# Altium PCB Video_Processing_Board.PcbDoc (part 1 of 3) (continued)
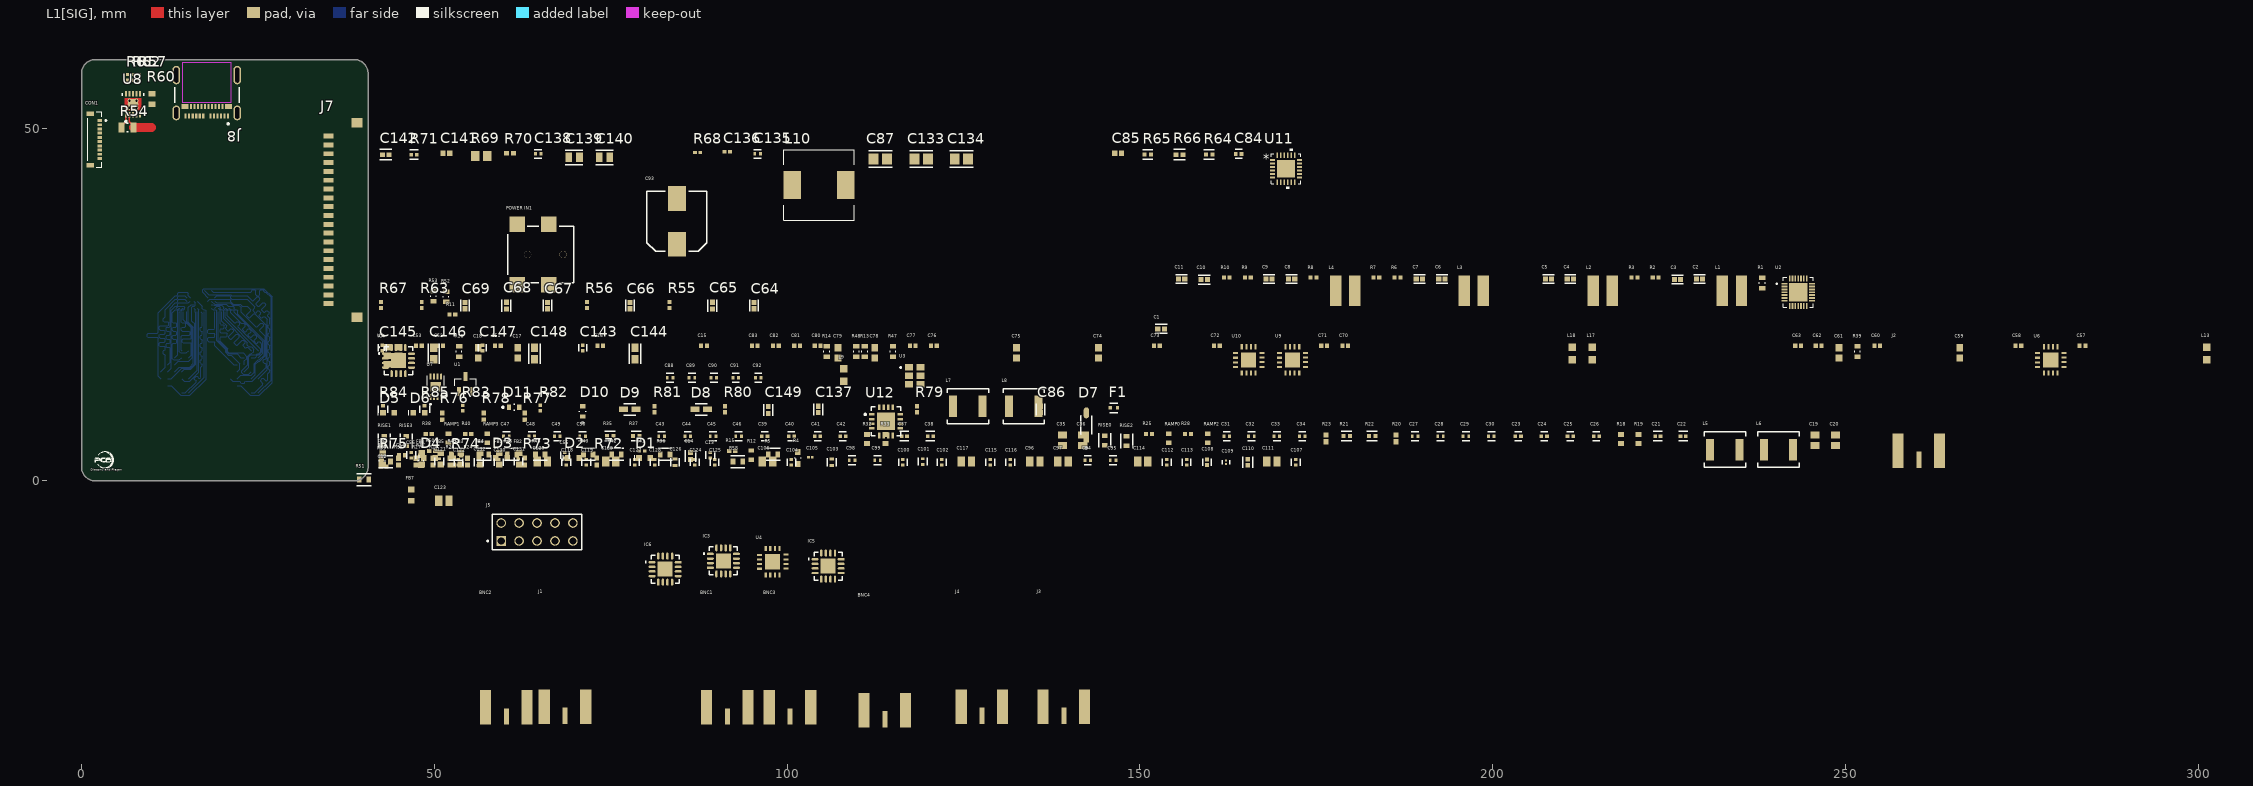
[diagram p0: L1[SIG] view]
## Components (designator, comment, footprint, x,y, rotation, side; value= is the part's Value field where it differs from the comment) (continued)
F1 "ERB-RD1R00X" FP-ERBRD-MFG 146.327,10.352 r0 top
FB1 "FBMH1608HM102-T" FBMH1608HM102-T 59.227,3.152 r90 top
FB2 "FBMH1608HM102-T" FBMH1608HM102-T 62.027,3.152 r90 top
FB3 "FBMH1608HM102-T" FBMH1608HM102-T 53.727,3.152 r90 top
FB4 "FBMH1608HM102-T" FBMH1608HM102-T 56.527,3.152 r90 top
FB5 "FBMH1608HM102-T" FBMH1608HM102-T 50.927,3.152 r90 top
FB6 "FBMH1608HM102-T" FBMH1608HM102-T 42.727,3.152 r90 top
FB7 "FBMH1608HM102-T" FBMH1608HM102-T 46.716,-2.005 r90 top
FB8 "FBMH1608HM102-T" FBMH1608HM102-T 48.227,3.152 r90 top
IC1 "MPF100T-1FCSG325I" MPF100T-1FCSG325I 18.4,33.78 r180 bottom
IC3 "EQCO125X40" EQCO125X40 90.977,-11.324 r0 top
IC4 "EQCO125X40" EQCO125X40 44.927,17.052 r0 top
IC5 "EQCO125X40" EQCO125X40 105.827,-12.072 r0 top
IC6 "EQCO125X40" EQCO125X40 82.727,-12.5 r0 top
IC7 "S80KS2564" S80KS2564 12.221,15.492 r270 bottom
IC9 "S80KS2564" S80KS2564 22.079,15.492 r270 bottom
J1 "" "PCBComponent_1 - duplicate" 68.527,-32.648 r0 top
J2 "" "PCBComponent_1 - duplicate" 260.426,3.652 r0 top
J3 "" "PCBComponent_1 - duplicate" 139.227,-32.648 r0 top
J4 "" "PCBComponent_1 - duplicate" 127.627,-32.648 r0 top
J5 "TSW-105-08-G-D" TSW-105-08-G-D 59.487,-8.5 r0 top
J6 "20525-030E-02C" I-PEX_20525-030E-02C 2.738,48.55 r90 bottom
J7 "JAE FI-S20P-HFE" "JAE FI-S20P-HFE" 37.754,37.003 r90 top
J8 "1054500101" FP-1054500101-MFG 17.758,55.525 r180 top
L1 "744031001" WE-TPC-3816-S 233.927,26.952 r0 top
L2 "744031001" WE-TPC-3816-S 215.627,26.952 r0 top
L3 "744031001" WE-TPC-3816-S 197.327,26.952 r0 top
L4 "744031001" WE-TPC-3816-S 179.127,26.952 r0 top
L5 "10uH" FP-1812PS-MFG 232.926,4.452 r0 top
L6 "10uH" FP-1812PS-MFG 240.526,4.452 r0 top
L7 "10uH" FP-1812PS-MFG 125.627,10.6 r0 top
L8 "10uH" FP-1812PS-MFG 133.557,10.6 r0 top
L9 "742792651" SMD-0603 108.067,15.027 r90 top
L10 "HCP0704-1R0-R" IND_SCIHP1367-100M 104.527,41.952 r0 top
L13 "742792651" SMD-0603 301.226,18.052 r90 top
L17 "742792651" SMD-0603 214.126,18.052 r90 top
L18 "742792651" SMD-0603 211.326,18.052 r90 top
"POWER IN1" "24V IN" 694102107102 65.1,32.1 r90 top
R1 "ERA3AEB104V" RESC1608X55X30ML20T20 238.227,28.052 r90 top value=100k
R2 "RC0402FR-0735K7L" RESC1005X40X25NL05T10#1 223.127,28.852 r0 top
R3 "RC0402FR-0711K5L" RESC1005X40X25NL05T10#1 220.127,28.852 r0 top
R4 "100K" FP-RC0603-0_55-MFG 101.527,3.252 r90 top
R5 "1K" FP-RC0603-0_55-IPC_C 98.027,3.752 r0 top
R6 "RC0402FR-0710KL" RESC1005X40X25NL05T10#1 186.527,28.852 r0 top
R7 "RC0402FR-0720KL" RESC1005X40X25NL05T10#1 183.527,28.852 r0 top
R8 "RN73H1ETTP1452F25" RESC1005X40N 174.627,28.852 r0 top
R9 "RC0402FR-0711K5L" RESC1005X40X25NL05T10#1 165.327,28.852 r0 top
R10 "RC0402FR-0724K3L" RESC1005X40X25NL05T10#1 162.327,28.852 r0 top
R11 "RC0402FR-0711K5L" RESC1005X40X25NL05T10#1 52.57,23.6 r0 top
R12 "4.7K" RESC1608X55X25LL10T15 94.927,3.652 r90 top
R13 "100 Ohm" 3-0603 111.027,18.352 r90 top
R14 "100 Ohm" 3-0603 105.627,18.352 r90 top
R15 "0R" RESC1005X40X25NL05T10#2 92.227,4.252 r0 top
R16 "75 Ohm" 3-0603 53.527,18.352 r90 top
R17 "100 Ohm" 3-0603 48.127,2.852 r90 top
R18 "1K" RESC1608X55X30LL15T15#1 218.226,5.952 r90 top
R19 "1K" RESC1608X55X30LL15T15#1 220.726,5.952 r90 top
R20 "15R" RESC1005X40X25ML10T10 186.327,6.052 r90 top
R21 "75R" FP-ERJ2RK-IPC_B 179.327,6.352 r0 top
R22 "75R" FP-ERJ2RK-IPC_B 182.927,6.352 r0 top
R23 "15R" RESC1005X40X25ML10T10 176.427,6.052 r90 top
R24 "15R" RESC1005X40X25ML10T10 54.727,2.752 r90 top
R25 "0R" RESC1005X40X25NL05T10#2 151.327,6.652 r0 top
R26 "15R" RESC1005X40X25ML10T10 52.227,2.752 r90 top
R27 "15R" RESC1005X40X25ML10T10 47.427,2.752 r90 top
R28 "0R" RESC1005X40X25NL05T10#2 156.827,6.652 r0 top
R29 "15R" RESC1005X40X25ML10T10 49.827,2.752 r90 top
R30 "15R" RESC1005X40X25ML10T10 42.527,2.752 r90 top
R31 "15R" RESC1005X40X25ML10T10 44.927,2.752 r90 top
R32 "1K" RESC1608X55X30LL15T15#1 111.327,5.952 r90 top
R33 "1K" RESC1608X55X30LL15T15#1 113.927,5.952 r90 top
R34 "100 Ohm" 3-0603 42.627,2.852 r90 top
R35 "75R" FP-ERJ2RK-IPC_B 74.927,6.352 r0 top
R36 "10K" FP-RC0603-0_55-IPC_C 82.727,3.752 r0 top
R37 "75R" FP-ERJ2RK-IPC_B 78.627,6.352 r0 top
R38 "0R" RESC1005X40X25NL05T10#2 49.227,6.652 r0 top
R39 "75 Ohm" 3-0603 251.726,18.352 r90 top
R40 "0R" RESC1005X40X25NL05T10#2 54.827,6.652 r0 top
R41 "22R" RESC1005X40X25LL05T10 79.427,4.252 r0 top
R42 "10K" FP-RC0603-0_55-IPC_C 75.827,3.752 r0 top
R43 "1K" FP-RC0603-0_55-IPC_C 71.827,3.752 r0 top
R44 "10K" FP-RC0603-0_55-IPC_C 57.027,3.752 r0 top
R45 "10K" FP-RC0603-0_55-IPC_C 61.027,3.752 r0 top
R46 "10K" FP-RC0603-0_55-IPC_C 65.027,3.752 r0 top
R47 "75 Ohm" 3-0603 115.027,18.352 r90 top
R48 "75 Ohm" 3-0603 109.827,18.352 r90 top
R49 "1K" FP-RC0603-0_55-IPC_C 53.127,3.752 r0 top
R50 "0R" RESC1005X40X25NL05T10#2 49.727,4.252 r0 top
R51 "1K" FP-RC0603-0_55-IPC_C 40.051,0.2 r0 top
R52 "100 Ohm" RESC1608X55X30LL15T15#2 51.677,26.1 r270 top
R53 "100 Ohm" RESC1608X55X30LL15T15#2 49.897,26.198 r270 top
R54 "10mR 1w" RESC2013X50X30LL20T20 6.525,50.1 r0 top
R55 "RC0402FR-0724K3L" RESC1005X40X25NL05T10#2 83.327,24.952 r90 top
R56 "RC0402FR-0711K5L" RESC1005X40X25NL05T10#2 71.627,24.952 r90 top
R57 "4.7K" RESC1005X40X25LL05T05 8.175,57.2 r90 top
R58 "10K/1%" FP-RC0603-0_55-IPC_C 93.027,2.752 r0 top
R59 "10K/1%" FP-RC0603-0_55-IPC_C 43.127,2.752 r0 top
R60 "0R" RESC1608X55X25ML10T15 10,54.15 r270 top
R61 "4.7K" RESC1005X40X25LL05T05 6.525,57.2 r90 top
R62 "4.7K" RESC1005X40X25LL05T05 7.35,57.2 r90 top
R63 "RC0402FR-0710KL" RESC1005X40X25NL05T10#2 48.227,24.952 r90 top
R64 "CRCW040220K0FKED" FP-CRCW0402-e3-IPC_B 159.827,46.252 r0 top
R65 "CRCW040210K0FKED" FP-CRCW0402-e3-IPC_B 151.127,46.252 r0 top
R66 "ERJ-2RKF4752X" FP-ERJ2RK-IPC_A 155.627,46.252 r0 top
R67 "RC0402FR-0710KL" RESC1005X40X25NL05T10#2 42.427,24.952 r90 top
R68 "1.1K 1%" RESC0603X26X15ML03T05 87.327,46.552 r0 top
R69 "2.55K 1%" RESC2013X60X40NL20T25 56.627,46.052 r0 top
R70 "16K 1%" RESC1005X40X25ML05T10 60.727,46.452 r0 top
R71 "CRCW04022R20FKED" FP-CRCW0402-e3-IPC_C 47.127,46.252 r0 top
R72 "1K" RESC1005X40X25ML05T10 73.027,2.752 r90 top
R73 "470R" RESC1005X40X25ML05T10 62.827,2.752 r90 top
R74 "470R" RESC1005X40X25ML05T10 52.727,2.752 r90 top
R75 "470R" RESC1005X40X25ML05T10 42.527,2.752 r90 top
R76 "470R" RESC1005X40X25ML05T10 51.127,9.152 r90 top
R77 "470" RESC1005X40X25ML05T10 62.827,9.152 r90 top
R78 "470R" RESC1005X40X25ML05T10 57.027,9.152 r90 top
R79 "RC0402FR-0710KL" RESC1005X40X25NL05T10#2 118.427,10.152 r90 top
R80 "RC0402JR-070RL" RESC1005X40X25NL05T10#2 91.227,10.152 r90 top
R81 "RC0402JR-070RL" RESC1005X40X25NL05T10#2 81.227,10.152 r90 top
R82 "RC0402FR-07680RL" RESC1005X40X25LL05T10 65.027,10.352 r90 top
R83 "RC0402FR-07680RL" RESC1005X40X25LL05T10 54.027,10.352 r90 top
R84 "RT0402BRE075K11L" FP-RT0402-MFG 42.727,10.152 r90 top value=5.11KΩ
R85 "RT0402BRE075K11L" FP-RT0402-MFG 48.627,10.152 r90 top value=5.11KΩ
RAMP0 "1K2" RESC1608X55X25LL10T15 154.127,6.052 r90 top
RAMP1 "1K2" RESC1608X55X25LL10T15 52.027,6.052 r90 top
RAMP2 "1K2" RESC1608X55X25LL10T15 159.627,6.052 r90 top
RAMP3 "1K2" RESC1608X55X25LL10T15 57.527,6.052 r90 top
RISE0 "10K" FP-RC0603-0_55-IPC_C 145.027,5.752 r90 top
RISE1 "10K" FP-RC0603-0_55-IPC_C 42.927,5.652 r90 top
RISE2 "10K" FP-RC0603-0_55-IPC_C 148.127,5.652 r90 top
RISE3 "10K" FP-RC0603-0_55-IPC_C 46.027,5.652 r90 top
U1 "MCP121T-315E/TT" MCP121T-315E/TT 54.427,13.752 r0 top
U2 "ADP5138ACPZ" CP_28_5 243.327,26.752 r0 top
U3 "AK3ADDF1-212.500T3" AX3DAF1-148.5000T 118.107,14.902 r0 top
U4 "EQCO62T20" PCBComponent_1_2 97.952,-11.447 r0 top
U5 "AK3ADDF1-212.500T3" AX3DAF1-148.5000T 44.127,17.752 r0 top
U6 "EQCO62T20" PCBComponent_1_2 279.126,17.152 r0 top
U7 "SST25PF040CT-40I/NP" SST25PF040CT-40I/NP 50.227,13.352 r90 top
U8 "PAC1710-1-AIA-TR" FP-C04-206-MFG 7.3,53.4 r90 top
U9 "EQCO62T20" PCBComponent_1_2 171.627,17.152 r0 top
U10 "EQCO62T20" PCBComponent_1_2 165.427,17.152 r0 top
U11 "MIC22705YML-TR" MLF-24_ML_MCH 170.727,44.252 r0 top
U12 "MCP2221A-I/ML" FP-C04-127-MFG 114.027,8.452 r0 top

## Footprints (in the part's own frame and the unit in brackets; to place one, negate y for a bottom-side part, rotate by r counter-clockwise, add the part's x,y. Pads: shape width x height; smd on the part's side, far side on the other; paste and mask are expansions set on the pad)
3-0603 [mm] "Chip Resistor; Body 1.6 x 0.9 mm (LxW typ)"
  rrect1% 0.65x0.9 smd: 1(-0.725,0) 2(0.725,0)
  silkscreen extent -0.08,-0.4 0.08,0.4, body extent -0.8,-0.4 0.8,0.4, height 0.45
0402 [mm] "Chip Capacitor; Body 1.0 x 0.5 mm (LxW typ)"
  rrect1% 0.59x0.6 smd mask+0.05: 1(-0.407,0) 2(0.407,0)
  body extent -0.5,-0.28 0.5,0.27, height 0.5
0603 [mm] "Chip Capacitor; Body 1.6 x 0.8 mm (LxW typ)"
  rrect1% 1.04x0.97 smd: 1(-0.726,0) 2(0.726,0)
  body extent -0.8,-0.44 0.8,0.44, height 0.8
694102107102 [mm] "DC Power Jack Right Angled Low Profile SMT ?3.9 with 4 soldering pads & pegs"
  rect 2.2x2.2 smd: 1(-4.3,-1.15) 1(-4.3,3.35) 2(4.3,-1.15) 3(4.3,3.35)
  round 1 hole 1 unplated: MH1(0,1.85) MH2(0,-3.15)
  silkscreen extent -4,-4.65 4,4.65, body extent -4.9,-4.65 4.9,4.65, height 5.32
AX3DAF1-148.5000T [mm]
  rrect1% 1.1x0.9 smd: 1(-0.8,1.2) 2(-0.8,0) 3(-0.8,-1.2) 4(0.8,-1.2) 5(0.8,0) 6(0.8,1.2)
  silkscreen extent -2.1,1.1 -1.9,1.3, body extent -1.25,-1.6 1.25,1.6, height 1
CAPC0603X33X15LL03T05 [mm] "Chip Capacitor, 2-Leads, Body 0.60x0.30mm, IPC High Density"
  rect 0.36x0.32 smd: 1(-0.28,0) 2(0.28,0)
  body extent -0.32,-0.17 0.32,0.17, height 0.33
CAPC1005X55X25ML5T10 [mm] "Chip Capacitor, 2-Leads, Body 1.05x0.55mm, IPC Low Density"
  rect 0.76x0.72 smd: 1(-0.49,0) 2(0.49,0)
  body extent -0.53,-0.28 0.53,0.28, height 0.55
CAPC1005X55X25ML05T10 [mm] "Chip Capacitor, 2-Leads, Body 1.00x0.50mm, IPC Low Density"
  rect 0.76x0.72 smd: 1(-0.49,0) 2(0.49,0)
  body extent -0.53,-0.28 0.53,0.27, height 0.55
CAPC1005X55X30LL05T10 [mm] "Chip Capacitor, 2-Leads, Body 1.00x0.50mm, IPC High Density"
  rect 0.56x0.52 smd: 1(-0.38,0) 2(0.38,0)
  body extent -0.53,-0.28 0.53,0.28, height 0.55
CAPC2013X135X45LL10T25 [mm] "Chip Capacitor, 2-Leads, Body 2.00x1.25mm, IPC High Density"
  rect 1x1.3 smd: 1(-0.75,0) 2(0.75,0)
  body extent -1.05,-0.67 1.05,0.68, height 1.35
CAPC2014X135X70LL20 [mm] "Chip Capacitor, 2-Leads, Body 2.00x1.35mm, IPC High Density"
  rect 1.05x1.45 smd: 1(-0.725,0) 2(0.725,0)
  body extent -1.1,-0.77 1.1,0.77, height 1.35
CP_28_5 [mm]
  rrect1% 0.855x0.25 smd mask+0.05: 1(-1.927,1.2) 2(-1.927,0.8) 3(-1.927,0.4) 4(-1.927,0) 5(-1.927,-0.4) 6(-1.927,-0.8) 7(-1.927,-1.2) 15(1.927,-1.2) 16(1.927,-0.8) 17(1.927,-0.4) 18(1.927,0) 19(1.927,0.4) 20(1.927,0.8) 21(1.927,1.2)
  rrect1% 0.25x0.855 smd mask+0.05: 8(-1.2,-1.927) 9(-0.8,-1.927) 10(-0.4,-1.927) 11(0,-1.927) 12(0.4,-1.927) 13(0.8,-1.927) 14(1.2,-1.927) 22(1.2,1.927) 23(0.8,1.927) 24(0.4,1.927) 25(0,1.927) 26(-0.4,1.927) 27(-0.8,1.927) 28(-1.2,1.927)
  rrect1% 2.6x2.6 smd paste-1.287 mask+0.05: 29(0,0)
  silkscreen extent -3.13,-2.13 2.13,2.13, body extent -2.05,-2.05 2.05,2.05, height 0.8
EQCO125X40 [mm]
  oval 1x0.35 smd: 1(-1.85,0.975) 2(-1.85,0.325) 3(-1.85,-0.325) 4(-1.85,-0.975) 9(1.85,-0.975) 10(1.85,-0.325) 11(1.85,0.325) 12(1.85,0.975)
  oval 0.35x1 smd: 5(-0.975,-1.85) 6(-0.325,-1.85) 7(0.325,-1.85) 8(0.975,-1.85) 13(0.975,1.85) 14(0.325,1.85) 15(-0.325,1.85) 16(-0.975,1.85)
  rect 2.15x2.15 smd paste-2: 17(0,0)
  silkscreen extent -2.85,-2 2,2
FBMH1608HM102-T [mm]
  rect 0.84x0.93 smd: 1(-0.795,0) 2(0.795,0)
  body extent -0.8,-0.45 0.8,0.45, height 0.8
FP-6_541-5056_01-4-MFG [mm]
  rect 0.6x0.8 smd paste+0 mask+0: 1(-0.725,0) 2(0.725,0)
  silkscreen extent -1.72,-0.45 0.05,0.45, body extent -1.12,-0.55 1.12,0.55, height 0.25
FP-0402-L_1_0_0_05-W_0_5-IPC_A#1 [mm]
  rrect1% 0.715x0.672 smd paste+0: 1(-0.479,0) 2(0.479,0)
  silkscreen extent -0.84,-0.64 0.84,0.64, body extent -0.5,-0.25 0.5,0.25, height 0.55
FP-0402-L_1_0_0_05-W_0_5-IPC_A#2 [mm]
  rect 0.715x0.672 smd paste+0 mask+0: 1(-0.479,0) 2(0.479,0)
  silkscreen extent -0.84,-0.74 0.84,0.74, body extent -1.04,-0.54 1.04,0.54, height 0.25
FP-0402-L_1_0_1-W_0_5_0_1-IPC_B [mm]
  rect 0.681x0.612 smd paste+0 mask+0: 1(-0.416,0) 2(0.416,0)
  silkscreen extent -0.76,-0.71 0.76,0.71, body extent -0.91,-0.46 0.91,0.46, height 0.25
FP-0805-L_2_0_0_2-W_1_25-IPC_A [mil]
  rect 55.42x61.5 smd paste+0 mask+0: 1(-37.49,0) 2(37.49,0)
  silkscreen extent -65,-46 65,46, body extent -85,-50 85,50, height 10
FP-1812PS-MFG [mm]
  rect 1.14x3.05 smd paste+0 mask+0: 1(-2.07,0) 2(2.07,0)
  silkscreen extent -2.94,-2.49 2.94,2.49, body extent -3.04,-2.59 3.04,2.59, height 0.25
FP-1054500101-MFG [mm]
  rrect100% 1.1x2.1 hole 1.6 slot 0.6 at 0 deg paste-2539.97 mask+0: 1(-4.32,3.36) 2(4.32,3.36)
  rrect100% 1.1x2.6 hole 2.1 slot 0.6 at 0 deg paste-2539.97 mask+0: 3(-4.32,-2) 4(4.32,-2)
  rect 0.3x0.7 smd paste+0 mask+0: A1(-3,3.77) A2(-2.5,3.77) A3(-2,3.77) A4(-1.5,3.77) A5(-1,3.77) A6(-0.5,3.77) A7(0.5,3.77) A8(1,3.77) A9(1.5,3.77) A10(2,3.77) A11(2.5,3.77) A12(3,3.77) B2(2.25,2.47) B3(1.75,2.47) B4(1.25,2.47) B5(0.75,2.47) B6(0.25,2.47) B7(-0.25,2.47) B8(-0.75,2.47) B9(-1.25,2.47) B10(-1.75,2.47) B11(-2.25,2.47)
  rect 1x0.7 smd paste+0 mask+0: B1(3.1,2.47) B12(-3.1,2.47)
  Keep-Out Layer region: -3.5,-3.77 3.5,-3.77 3.5,1.88 -3.5,1.88
  silkscreen extent -4.57,-0.3 4.57,5.03
FP-C04-127-MFG [mm]
  rect 0.8x0.35 smd paste+0 mask+0: 1(-2,0.975) 2(-2,0.325) 3(-2,-0.325) 4(-2,-0.975) 9(2,-0.975) 10(2,-0.325) 11(2,0.325) 12(2,0.975)
  rect 0.35x0.8 smd paste+0 mask+0: 5(-0.975,-2) 6(-0.325,-2) 7(0.325,-2) 8(0.975,-2) 13(0.975,2) 14(0.325,2) 15(-0.325,2) 16(-0.975,2)
  rect 2.5x2.5 smd paste+0 mask+0: 17(0,0)
  silkscreen extent -3.07,-2.07 2.07,2.07, body extent -2.5,-2.5 2.5,2.5, height 0.25
FP-C04-206-MFG [mm]
  rect 0.8x0.3 smd paste+0 mask+0: 1(-1.5,1) 2(-1.5,0.5) 3(-1.5,0) 4(-1.5,-0.5) 5(-1.5,-1) 6(1.5,-1) 7(1.5,-0.5) 8(1.5,0) 9(1.5,0.5) 10(1.5,1)
  round 1.53 smd paste+0 mask+0: 11(0,0)
  L1[SIG] region: -0.85,-1.2 0.85,-1.2 0.85,1.2 -0.57,1.2 -0.85,0.92
  silkscreen extent -2.57,-1.55 1.55,1.55, body extent -2,-1.65 2,1.65, height 0.25
FP-C0402-BB-MFG#1 [mm]
  rect 0.52x0.52 smd paste+0 mask+0: 1(-0.4,0) 2(0.4,0)
  silkscreen extent -0.5,-0.64 0.5,0.64, body extent -0.8,-0.4 0.8,0.4, height 0.25
FP-C0402-BB-MFG#2 [mm]
  rect 0.52x0.52 smd paste+0 mask+0.1: 1(-0.4,0) 2(0.4,0)
  silkscreen extent -0.5,-0.57 0.5,0.57, body extent -0.5,-0.25 0.5,0.25, height 0.55
FP-C0805C476M9PACTU-MFG [mm]
  rect 0.95x1.35 smd paste+0 mask+0: 1(-0.75,0) 2(0.75,0)
  silkscreen extent -1.25,-1.05 1.25,1.05, body extent -1.4,-0.85 1.4,0.85, height 0.25
FP-C1005-050-0_05-IPC_A [mm]
  rect 0.739x0.672 smd paste+0 mask+0: 1(-0.467,0) 2(0.467,0)
  silkscreen extent -0.84,-0.74 0.84,0.74, body extent -1.04,-0.54 1.04,0.54, height 0.25
FP-CC0201-BA-MFG [mm]
  rect 0.28x0.3 smd paste+0 mask+0: 1(-0.265,0) 2(0.265,0)
  silkscreen extent -0.32,-0.53 0.32,0.53, body extent -0.51,-0.27 0.51,0.27, height 0.25
FP-CL05A106MP5NUNC-MFG [mm]
  rect 0.45x0.675 smd paste+0 mask+0: 1(-0.463,0) 2(0.463,0)
  silkscreen extent -0.6,-0.63 0.6,0.63, body extent -0.79,-0.45 0.79,0.45, height 0.25
FP-CL165-IPC_C [mm]
  rect 0.515x0.472 smd paste+0 mask+0: 1(-0.379,0) 2(0.379,0)
  silkscreen extent -0.64,-0.67 0.64,0.67, body extent -0.74,-0.38 0.74,0.38, height 0.25
FP-CRCW0402-e3-IPC_B [mm]
  rect 0.568x0.572 smd paste+0 mask+0: 1(-0.452,0) 2(0.452,0)
  silkscreen extent -0.74,-0.69 0.74,0.69, body extent -0.89,-0.44 0.89,0.44, height 0.25
FP-CRCW0402-e3-IPC_C [mm]
  rect 0.468x0.472 smd paste+0 mask+0: 1(-0.402,0) 2(0.402,0)
  silkscreen extent -0.64,-0.67 0.64,0.67, body extent -0.74,-0.38 0.74,0.38, height 0.25
FP-ERBRD-MFG [mm]
  rect 0.475x0.5 smd: 1(-0.512,0) 2(0.513,0)
  silkscreen extent -0.56,-0.67 0.55,0.67, body extent -0.85,-0.4 0.85,0.4, height 0.25
FP-ERJ2RK-IPC_A [mm]
  rect 0.668x0.672 smd paste+0 mask+0: 1(-0.502,0) 2(0.502,0)
  silkscreen extent -0.84,-0.74 0.84,0.74, body extent -1.04,-0.54 1.04,0.54, height 0.25
FP-ERJ2RK-IPC_B [mm]
  rect 0.568x0.572 smd paste+0 mask+0: 1(-0.452,0) 2(0.452,0)
  silkscreen extent -0.74,-0.69 0.74,0.69, body extent -0.89,-0.44 0.89,0.44, height 0.25
FP-GRM15-MFG [mm]
  rect 0.4x0.5 smd paste+0 mask+0: 1(-0.4,0) 2(0.4,0)
  silkscreen extent -0.53,-0.63 0.53,0.63, body extent -0.7,-0.38 0.7,0.38, height 0.25
FP-GRM155-0_2-IPC_B [mm]
  rrect1% 0.728x0.706 smd paste+0 mask+0.05: 1(-0.439,0) 2(0.439,0)
  silkscreen extent -0.8,-0.6 0.8,0.6, body extent -0.5,-0.25 0.5,0.25, height 0.7
FP-GRM188-0_1-e0_2_0_55-IPC_A [mm]
  rrect1% 1.208x1.012 smd paste+0: 1(-0.802,0) 2(0.802,0)
  silkscreen extent -1.41,-0.81 1.41,0.81, body extent -0.8,-0.4 0.8,0.4, height 0.9
FP-PGB1-0603-CA-MFG [mm]
  rect 1.27x0.76 smd paste+0 mask+0: 1(-0.89,0) 2(0.89,0)
  silkscreen extent -0.86,-0.81 0.86,0.8, body extent -1.63,-0.55 1.63,0.55, height 0.25
FP-RC0603-0_55-IPC_C [mm]
  rect 0.659x0.812 smd paste+0 mask+0: 1(-0.677,0) 2(0.677,0)
  silkscreen extent -1.01,-0.85 1.01,0.85, body extent -1.11,-0.55 1.11,0.55, height 0.25
FP-RC0603-0_55-MFG [mm]
  rect 0.9x0.8 smd paste+0 mask+0: 1(-0.85,0) 2(0.85,0)
  silkscreen extent -0.03,-0.45 0.03,0.45, body extent -1.4,-0.55 1.4,0.55, height 0.25
FP-RT0402-MFG [mm]
  rect 0.5x0.6 smd paste+0 mask+0: 1(-0.5,0) 2(0.5,0)
  silkscreen extent -0.5,-0.71 0.5,0.7, body extent -0.85,-0.4 0.85,0.4, height 0.25
FP-SOD123-IPC_A [mm]
  rect 1.557x0.742 smd paste+0 mask+0: 1(-1.7,0)
  rrect100% 1.557x0.742 smd paste+0 mask+0: 2(1.7,0)
  silkscreen extent -3.39,-0.77 1.33,0.77, body extent -2.98,-1.28 2.98,1.28, height 0.25
I-PEX_20525-030E-02C [mm]
  rrect1% 0.2x0.8 smd mask+0.05: 1(-5.8,1.562) 2(-5.4,1.562) 3(-5,1.562) 4(-4.6,1.563) 5(-4.2,1.562) 6(-3.8,1.562) 7(-3.4,1.563) 8(-3,1.562) 9(-2.6,1.563) 10(-2.2,1.562) 11(-1.8,1.562) 12(-1.4,1.562) 13(-1,1.563) 14(-0.6,1.562) 15(-0.2,1.562) 16(0.2,1.562) 17(0.6,1.562) 18(1,1.563) 19(1.4,1.562) 20(1.8,1.562) 21(2.2,1.563) 22(2.6,1.562) 23(3,1.562) 24(3.4,1.562) 25(3.8,1.562) 26(4.2,1.562) 27(4.6,1.563) 28(5,1.562) 29(5.4,1.562) 30(5.8,1.562)
  rrect1% 0.55x0.9 smd: P1(-6.7,1.513) P3(6.7,1.512)
  rrect1% 0.71x1.3 smd: P2(-8.445,0.763) P4(8.445,0.763)
  rrect1% 0.71x1.85 smd: P5(-8.445,-1.562) P6(8.445,-1.562)
  silkscreen extent -8.6,-2.54 8.6,2.58, body extent -8.6,-2.54 8.6,1.61, height 1
IND_SCIHP1367-100M [mm]
  rect 2.5x4 smd: 1(-3.8,0) 2(3.8,0)
  silkscreen extent -5,-5 5,5
"JAE FI-S20P-HFE" [mm]
  rrect1% 0.7x1.45 smd: 1(-11.875,2.754) 2(-10.625,2.754) 3(-9.375,2.754) 4(-8.125,2.754) 5(-6.875,2.754) 6(-5.625,2.754) 7(-4.375,2.754) 8(-3.125,2.754) 9(-1.875,2.754) 10(-0.625,2.754) 11(0.625,2.754) 12(1.875,2.754) 13(3.125,2.754) 14(4.375,2.754) 15(5.625,2.754) 16(6.875,2.754) 17(8.125,2.754) 18(9.375,2.754) 19(10.625,2.754) 20(11.875,2.754)
  rrect1% 1.35x1.6 smd: 21(-13.775,-1.3) 22(13.775,-1.3)
  body extent -14.31,-2.24 14.29,3.06, height 1.81
MCP121T-315E/TT [mil]
  rect 22x50 smd: 1(-37,-41) 2(37,-41) 3(0,41)
  silkscreen extent -60,-10 60,28, body extent -57,-47 57,47, height 44
MLF-24_ML_MCH [mm]
  rect 0.757x0.255 smd paste+0 mask+0: 1(-1.915,1.25) 2(-1.915,0.75) 3(-1.915,0.25) 4(-1.915,-0.25) 5(-1.915,-0.75) 6(-1.915,-1.25) 13(1.915,-1.25) 14(1.915,-0.75) 15(1.915,-0.25) 16(1.915,0.25) 17(1.915,0.75) 18(1.915,1.25)
  rect 0.255x0.757 smd paste+0 mask+0: 7(-1.25,-1.915) 8(-0.75,-1.915) 9(-0.25,-1.915) 10(0.25,-1.915) 11(0.75,-1.915) 12(1.25,-1.915) 19(1.25,1.915) 20(0.75,1.915) 21(0.25,1.915) 22(-0.25,1.915) 23(-0.75,1.915) 24(-1.25,1.915)
  rect 2.489x2.489 smd paste+0 mask+0: 25(0,0)
  silkscreen extent -2.12,-2.8 2.12,2.8, body extent -1.99,-1.99 1.99,1.99, height 0.99
MPF100T-1FCSG325I [mm]
  round 0.284 smd paste+0 mask+0: A1(-5,5) A2(-4.5,5) A3(-4,5) A4(-3.5,5) A5(-3,5) A6(-2.5,5) A7(-2,5) A8(-1.5,5) A9(-1,5) A10(-0.5,5) A11(0,5) A12(0.5,5) A13(1,5) A14(1.5,5) A15(2,5) A16(2.5,5) A17(3,5) A18(3.5,5) A19(4,5) A20(4.5,5) A21(5,5) AA1(-5,-5) AA2(-4.5,-5) AA3(-4,-5) AA4(-3.5,-5) AA5(-3,-5) AA6(-2.5,-5) AA7(-2,-5) AA8(-1.5,-5) AA9(-1,-5) AA10(-0.5,-5) AA11(0,-5) AA12(0.5,-5) AA13(1,-5) AA14(1.5,-5) AA15(2,-5) AA16(2.5,-5) AA17(3,-5) AA18(3.5,-5) AA19(4,-5) AA20(4.5,-5) AA21(5,-5) B1(-5,4.5) B2(-4.5,4.5) B3(-4,4.5) B4(-3.5,4.5) B5(-3,4.5) B6(-2.5,4.5) B7(-2,4.5) B8(-1.5,4.5) B9(-1,4.5) B10(-0.5,4.5) B11(0,4.5) B12(0.5,4.5) B13(1,4.5) B14(1.5,4.5) B15(2,4.5) B16(2.5,4.5) B17(3,4.5) B18(3.5,4.5) B19(4,4.5) B20(4.5,4.5) B21(5,4.5) C1(-5,4) C2(-4.5,4) C6(-2.5,4) C11(0,4) C16(2.5,4) C20(4.5,4) C21(5,4) D1(-5,3.5) D2(-4.5,3.5) D4(-3.5,3.5) D5(-3,3.5) D6(-2.5,3.5) D7(-2,3.5) D8(-1.5,3.5) D9(-1,3.5) D10(-0.5,3.5) D11(0,3.5) D12(0.5,3.5) D13(1,3.5) D14(1.5,3.5) D15(2,3.5) D16(2.5,3.5) D17(3,3.5) D18(3.5,3.5) D20(4.5,3.5) D21(5,3.5) E1(-5,3) E2(-4.5,3) E4(-3.5,3) E5(-3,3) E6(-2.5,3) E7(-2,3) E8(-1.5,3) E9(-1,3) E10(-0.5,3) E11(0,3) E12(0.5,3) E13(1,3) E14(1.5,3) E15(2,3) E16(2.5,3) E17(3,3) E18(3.5,3) E20(4.5,3) E21(5,3) F1(-5,2.5) F2(-4.5,2.5) F3(-4,2.5) F4(-3.5,2.5) F5(-3,2.5) F17(3,2.5) F18(3.5,2.5) F19(4,2.5) F20(4.5,2.5) F21(5,2.5) G1(-5,2) G2(-4.5,2) G4(-3.5,2) G5(-3,2) G7(-2,2) G8(-1.5,2) G9(-1,2) G10(-0.5,2) G11(0,2) G12(0.5,2) G13(1,2) G14(1.5,2) G15(2,2) G17(3,2) G18(3.5,2) G20(4.5,2) G21(5,2) H1(-5,1.5) H2(-4.5,1.5) H4(-3.5,1.5) H5(-3,1.5) H7(-2,1.5) H15(2,1.5) H17(3,1.5) H18(3.5,1.5) H20(4.5,1.5) H21(5,1.5) J1(-5,1) J2(-4.5,1) J4(-3.5,1) J5(-3,1) J7(-2,1) J9(-1,1) J10(-0.5,1) J11(0,1) J12(0.5,1) J13(1,1) J15(2,1) J17(3,1) J18(3.5,1) J20(4.5,1) J21(5,1) K1(-5,0.5) K2(-4.5,0.5) K4(-3.5,0.5) K5(-3,0.5) K7(-2,0.5) K9(-1,0.5) K10(-0.5,0.5) K11(0,0.5) K12(0.5,0.5) K13(1,0.5) K15(2,0.5) K17(3,0.5) K18(3.5,0.5) K20(4.5,0.5) K21(5,0.5) L1(-5,0) L2(-4.5,0) L3(-4,0) L4(-3.5,0) L5(-3,0) L7(-2,0) L9(-1,0) L10(-0.5,0) L11(0,0) L12(0.5,0) L13(1,0) L15(2,0) L17(3,0) L18(3.5,0) L19(4,0) L20(4.5,0) L21(5,0) M1(-5,-0.5) M2(-4.5,-0.5) M4(-3.5,-0.5) M5(-3,-0.5) M7(-2,-0.5) M9(-1,-0.5) M10(-0.5,-0.5) M11(0,-0.5) M12(0.5,-0.5) M13(1,-0.5) M15(2,-0.5) M17(3,-0.5) M18(3.5,-0.5) M20(4.5,-0.5) M21(5,-0.5) N1(-5,-1) N2(-4.5,-1) N4(-3.5,-1) N5(-3,-1) N7(-2,-1) N9(-1,-1) N10(-0.5,-1) N11(0,-1) N12(0.5,-1) N13(1,-1) N15(2,-1) N17(3,-1) N18(3.5,-1) N20(4.5,-1) N21(5,-1) P1(-5,-1.5) P2(-4.5,-1.5) P4(-3.5,-1.5) P5(-3,-1.5) P7(-2,-1.5) P15(2,-1.5) P17(3,-1.5) P18(3.5,-1.5) P20(4.5,-1.5) P21(5,-1.5) R1(-5,-2) R2(-4.5,-2) R4(-3.5,-2) R5(-3,-2) R7(-2,-2) R8(-1.5,-2) R9(-1,-2) R10(-0.5,-2) R11(0,-2) R12(0.5,-2) R13(1,-2) R14(1.5,-2) R15(2,-2) R17(3,-2) R18(3.5,-2) R20(4.5,-2) R21(5,-2) T1(-5,-2.5) T2(-4.5,-2.5) T3(-4,-2.5) T4(-3.5,-2.5) T5(-3,-2.5) T17(3,-2.5) T18(3.5,-2.5) T19(4,-2.5) T20(4.5,-2.5) T21(5,-2.5) U1(-5,-3) U2(-4.5,-3) U4(-3.5,-3) U5(-3,-3) U6(-2.5,-3) U7(-2,-3) U8(-1.5,-3) U9(-1,-3) U10(-0.5,-3) U11(0,-3) U12(0.5,-3) U13(1,-3) U14(1.5,-3) U15(2,-3) U16(2.5,-3) U17(3,-3) U18(3.5,-3) U20(4.5,-3) U21(5,-3) V1(-5,-3.5) V2(-4.5,-3.5) V4(-3.5,-3.5) V5(-3,-3.5) V6(-2.5,-3.5) V7(-2,-3.5) V8(-1.5,-3.5) V9(-1,-3.5) V10(-0.5,-3.5) V11(0,-3.5) V12(0.5,-3.5) V13(1,-3.5) V14(1.5,-3.5) V15(2,-3.5) V16(2.5,-3.5) V17(3,-3.5) V18(3.5,-3.5) V20(4.5,-3.5) V21(5,-3.5) W1(-5,-4) W2(-4.5,-4) W6(-2.5,-4) W11(0,-4) W16(2.5,-4) W20(4.5,-4) W21(5,-4) Y1(-5,-4.5) Y2(-4.5,-4.5) Y3(-4,-4.5) Y4(-3.5,-4.5) Y5(-3,-4.5) Y6(-2.5,-4.5) Y7(-2,-4.5) Y8(-1.5,-4.5) Y9(-1,-4.5) Y10(-0.5,-4.5) Y11(0,-4.5) Y12(0.5,-4.5) Y13(1,-4.5) Y14(1.5,-4.5) Y15(2,-4.5) Y16(2.5,-4.5) Y17(3,-4.5) Y18(3.5,-4.5) Y19(4,-4.5) Y20(4.5,-4.5) Y21(5,-4.5)
  silkscreen extent -5.75,-5.75 5.75,5.75, body extent -5.5,-5.5 5.5,5.5, height 1.45
NIC-CAPA2-8X10_V [mm] "Aluminum Electrolytic Capacitor, Diameter 8mm, Height 10.8mm, Pitch 6.5mm"
  rect 3.5x2.5 smd: 1(-3.25,0) 2(3.25,0)
  silkscreen extent -4.25,-4.25 4.25,4.25, body extent -3.99,-3.97 3.99,4, height 10.8
"PCBComponent_1 - duplicate" [mil]
  rect 28x91 smd: 1(0.67,-25.5)
  rect 62x193 smd: 2(115.67,25.5) 3(-115.67,25.5)
  body extent -148,-61 148,628, height 159
PCBComponent_1_2 [mm]
  rrect1% 0.72x0.3 smd: 1(-1.85,0.975) 2(-1.85,0.317) 3(-1.85,-0.342) 4(-1.85,-1) 9(1.875,-0.975) 10(1.875,-0.317) 11(1.875,0.342) 12(1.875,1)
  rrect1% 0.3x0.72 smd: 5(-0.975,-1.875) 6(-0.325,-1.875) 7(0.325,-1.875) 8(0.975,-1.875) 13(0.975,1.875) 14(0.325,1.875) 15(-0.325,1.875) 16(-0.975,1.875)
  rrect1% 2.15x2.15 smd: 17(0,0)
  body extent -2,-2 2,2, height 1
RESC0603X26X15ML03T05 [mm] "Chip Resistor, 2-Leads, Body 0.60x0.30mm, IPC Low Density"
  rect 0.55x0.45 smd: 1(-0.375,0) 2(0.375,0)
  body extent -0.32,-0.16 0.32,0.17, height 0.26
RESC1005X40N [mm]
  rrect1% 0.59x0.6 smd mask+0.05: 1(-0.407,0) 2(0.407,0)
  body extent -0.5,-0.25 0.5,0.25, height 0.4
RESC1005X40X25LL05T05 [mm] "Chip Resistor, 2-Leads, Body 1.05x0.55mm, IPC High Density"
  rect 0.45x0.45 smd: 1(-0.4,0) 2(0.4,0)
  body extent -0.53,-0.28 0.53,0.28, height 0.4
RESC1005X40X25LL05T10 [mm] "Chip Resistor, 2-Leads, Body 1.00x0.50mm, IPC High Density"
  rect 0.5x0.45 smd: 1(-0.375,0) 2(0.375,0)
  body extent -0.53,-0.27 0.53,0.28, height 0.4
RESC1005X40X25ML05T10 [mm] "Chip Resistor, 2-Leads, Body 1.00x0.50mm, IPC Low Density"
  rect 0.7x0.65 smd: 1(-0.475,0) 2(0.475,0)
  body extent -0.53,-0.27 0.53,0.28, height 0.4
RESC1005X40X25ML10T10 [mm] "Chip Resistor, 2-Leads, Body 1.00x0.50mm, IPC Low Density"
  rect 0.75x0.7 smd: 1(-0.475,0) 2(0.475,0)
  body extent -0.55,-0.3 0.55,0.3, height 0.4
RESC1005X40X25NL05T10#1 [mm] "Chip Resistor, 2-Leads, Body 1.00x0.50mm, IPC Medium Density"
  rrect1% 0.59x0.6 smd mask+0.05: 1(-0.407,0) 2(0.407,0)
  body extent -0.5,-0.25 0.5,0.25, height 0.4
RESC1005X40X25NL05T10#2 [mm] "Chip Resistor, 2-Leads, Body 1.00x0.50mm, IPC Medium Density"
  rect 0.6x0.55 smd: 1(-0.425,0) 2(0.425,0)
  body extent -0.53,-0.27 0.53,0.28, height 0.4
RESC1608X55X25LL10T15 [mm] "Chip Resistor, 2-Leads, Body 1.60x0.80mm, IPC High Density"
  rect 0.6x0.8 smd: 1(-0.65,0) 2(0.65,0)
  body extent -0.85,-0.45 0.85,0.45, height 0.55
RESC1608X55X25ML10T15 [mm] "Chip Resistor, 2-Leads, Body 1.60x0.80mm, IPC Low Density"
  rect 0.8x1 smd: 1(-0.75,0) 2(0.75,0)
  body extent -0.85,-0.45 0.85,0.45, height 0.55
RESC1608X55X30LL15T15#1 [mm] "Chip Resistor, 2-Leads, Body 1.60x0.80mm, IPC High Density"
  rect 0.7x0.85 smd: 1(-0.625,0) 2(0.625,0)
  body extent -0.87,-0.48 0.87,0.48, height 0.55
RESC1608X55X30LL15T15#2 [mm] "Chip Resistor, 2-Leads, Body 1.60x0.80mm, IPC High Density"
  rrect1% 0.65x0.9 smd: 1(-0.725,0) 2(0.725,0)
  silkscreen extent -0.08,-0.4 0.08,0.4, body extent -0.8,-0.4 0.8,0.4, height 0.45
RESC1608X55X30ML20T20 [mm] "Chip Resistor, 2-Leads, Body 1.60x0.80mm, IPC Low Density"
  rrect1% 0.65x0.9 smd: 1(-0.725,0) 2(0.725,0)
  silkscreen extent -0.08,-0.4 0.08,0.4, body extent -0.8,-0.4 0.8,0.4, height 0.45
RESC2013X50X30LL20T20 [mm] "Chip Resistor, 2-Leads, Body 2.00x1.25mm, IPC High Density"
  rect 0.85x1.35 smd: 1(-0.825,0) 2(0.825,0)
  silkscreen extent -0.1,-0.58 0.1,0.58, body extent -1.1,-0.72 1.1,0.72, height 0.5
RESC2013X60X40NL20T25 [mm] "Chip Resistor, 2-Leads, Body 2.00x1.25mm, IPC Medium Density"
  rect 1.2x1.45 smd: 1(-0.85,0) 2(0.85,0)
  body extent -1.1,-0.72 1.1,0.72, height 0.6
S80KS2564 [mil]
  round 18 smd paste+0 mask+0: A1(-118.11,118.11) A2(-78.74,118.11) A3(-39.37,118.11) A4(0,118.11) A5(39.37,118.11) A6(78.74,118.11) A7(118.11,118.11) B1(-118.11,78.74) B2(-78.74,78.74) B3(-39.37,78.74) B4(0,78.74) B5(39.37,78.74) B6(78.74,78.74) B7(118.11,78.74) C1(-118.11,39.37) C2(-78.74,39.37) C3(-39.37,39.37) C4(0,39.37) C5(39.37,39.37) C6(78.74,39.37) C7(118.11,39.37) D1(-118.11,0) D2(-78.74,0) D3(-39.37,0) D4(0,0) D5(39.37,0) D6(78.74,0) D7(118.11,0) E1(-118.11,-39.37) E2(-78.74,-39.37) E3(-39.37,-39.37) E4(0,-39.37) E5(39.37,-39.37) E6(78.74,-39.37) E7(118.11,-39.37) F1(-118.11,-78.74) F2(-78.74,-78.74) F3(-39.37,-78.74) F4(0,-78.74) F5(39.37,-78.74) F6(78.74,-78.74) F7(118.11,-78.74) G1(-118.11,-118.11) G2(-78.74,-118.11) G3(-39.37,-118.11) G4(0,-118.11) G5(39.37,-118.11) G6(78.74,-118.11) G7(118.11,-118.11)
  silkscreen extent -167,-167 167,168, body extent -157,-157 157,157, height 39
SM10B-XSRS-ETB [mm]
  rrect1% 0.4x0.6 smd mask+0.05: 1(-2.7,0.75) 2(-2.1,0.75) 3(-1.5,0.75) 4(-0.9,0.75) 5(-0.3,0.75) 6(0.3,0.75) 7(0.9,0.75) 8(1.5,0.75) 9(2.1,0.75) 10(2.7,0.75)
  rrect1% 0.7x1.05 smd: S1(-3.65,-0.625) S2(3.65,-0.625)
  silkscreen extent -3.9,-1 3.9,1.7, body extent -3.9,-1 3.9,1, height 1.45